# Altium PCB Hall Board.PcbDoc (part 1 of 4)
Units mil, origin at the board's own origin, x right, y up, seen from the top; angles counter-clockwise.
Board outline 5405 x 4190 mil, 4 copper layers (Top Layer, Internal Plane 1, Internal Plane 2, Bottom Layer), stack 18.2 mil thick; 428 components, 294 nets, 1249 pads, 155 vias.
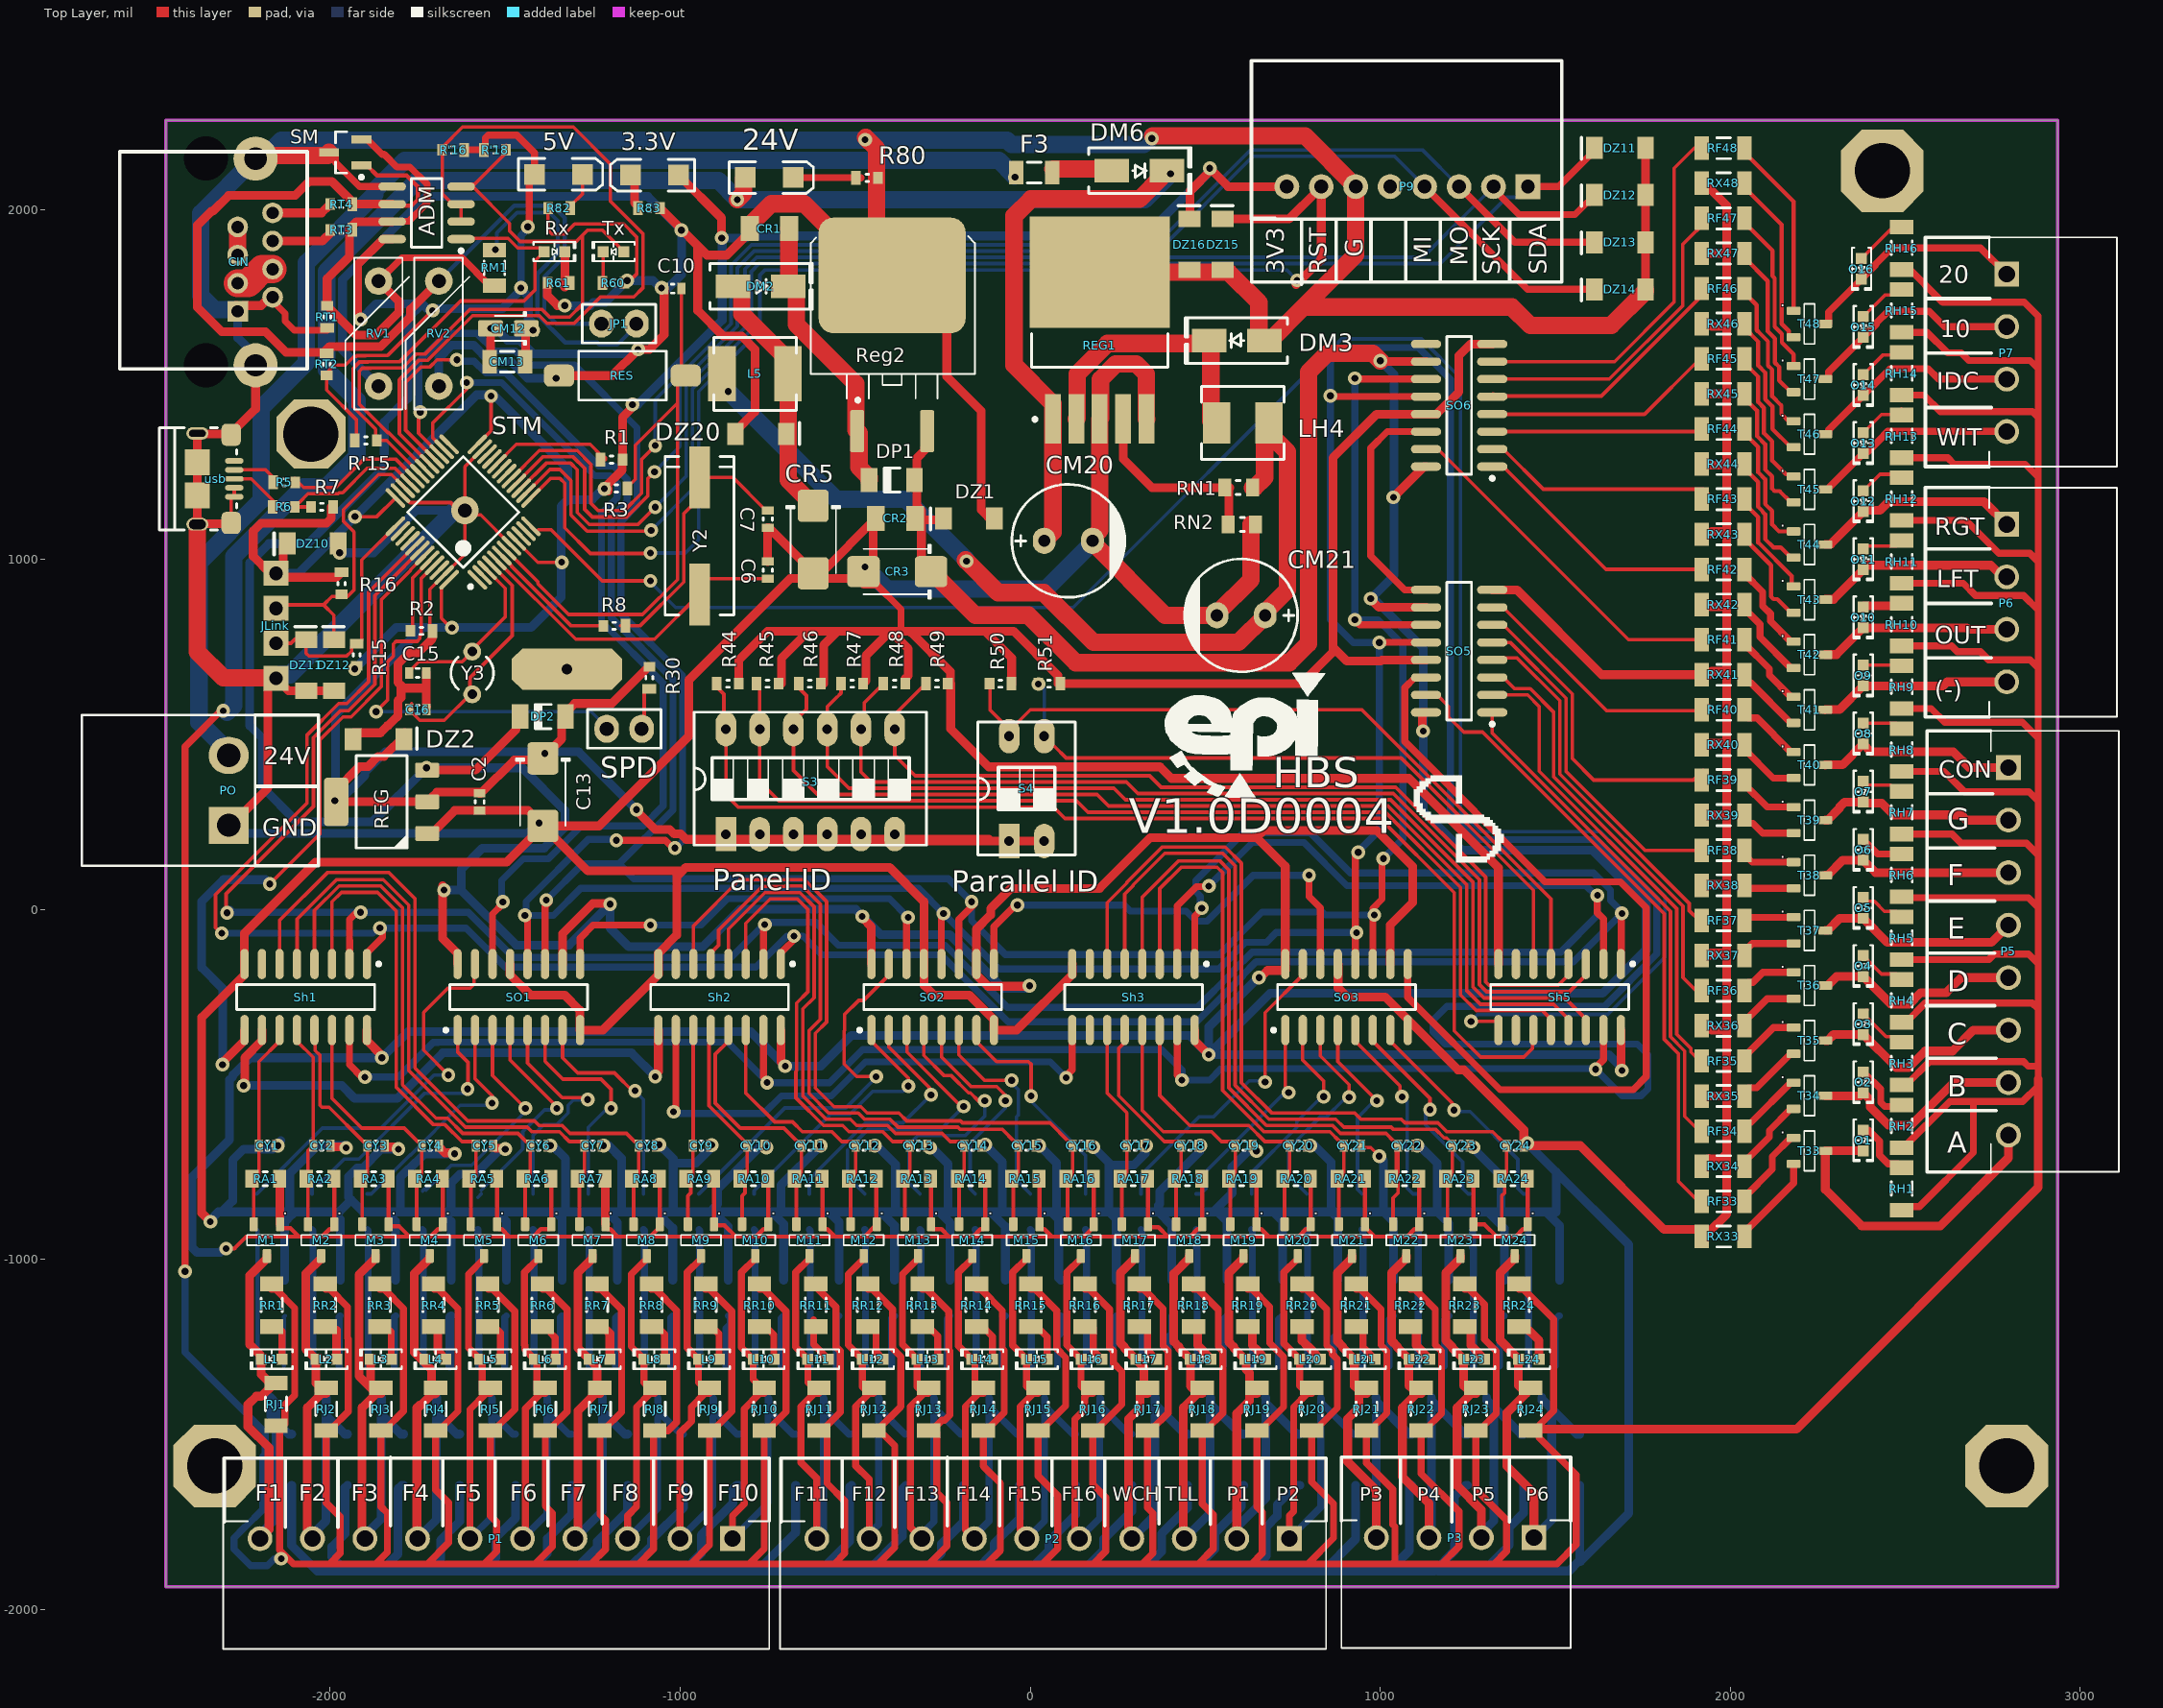
[diagram p0: Top Layer view]
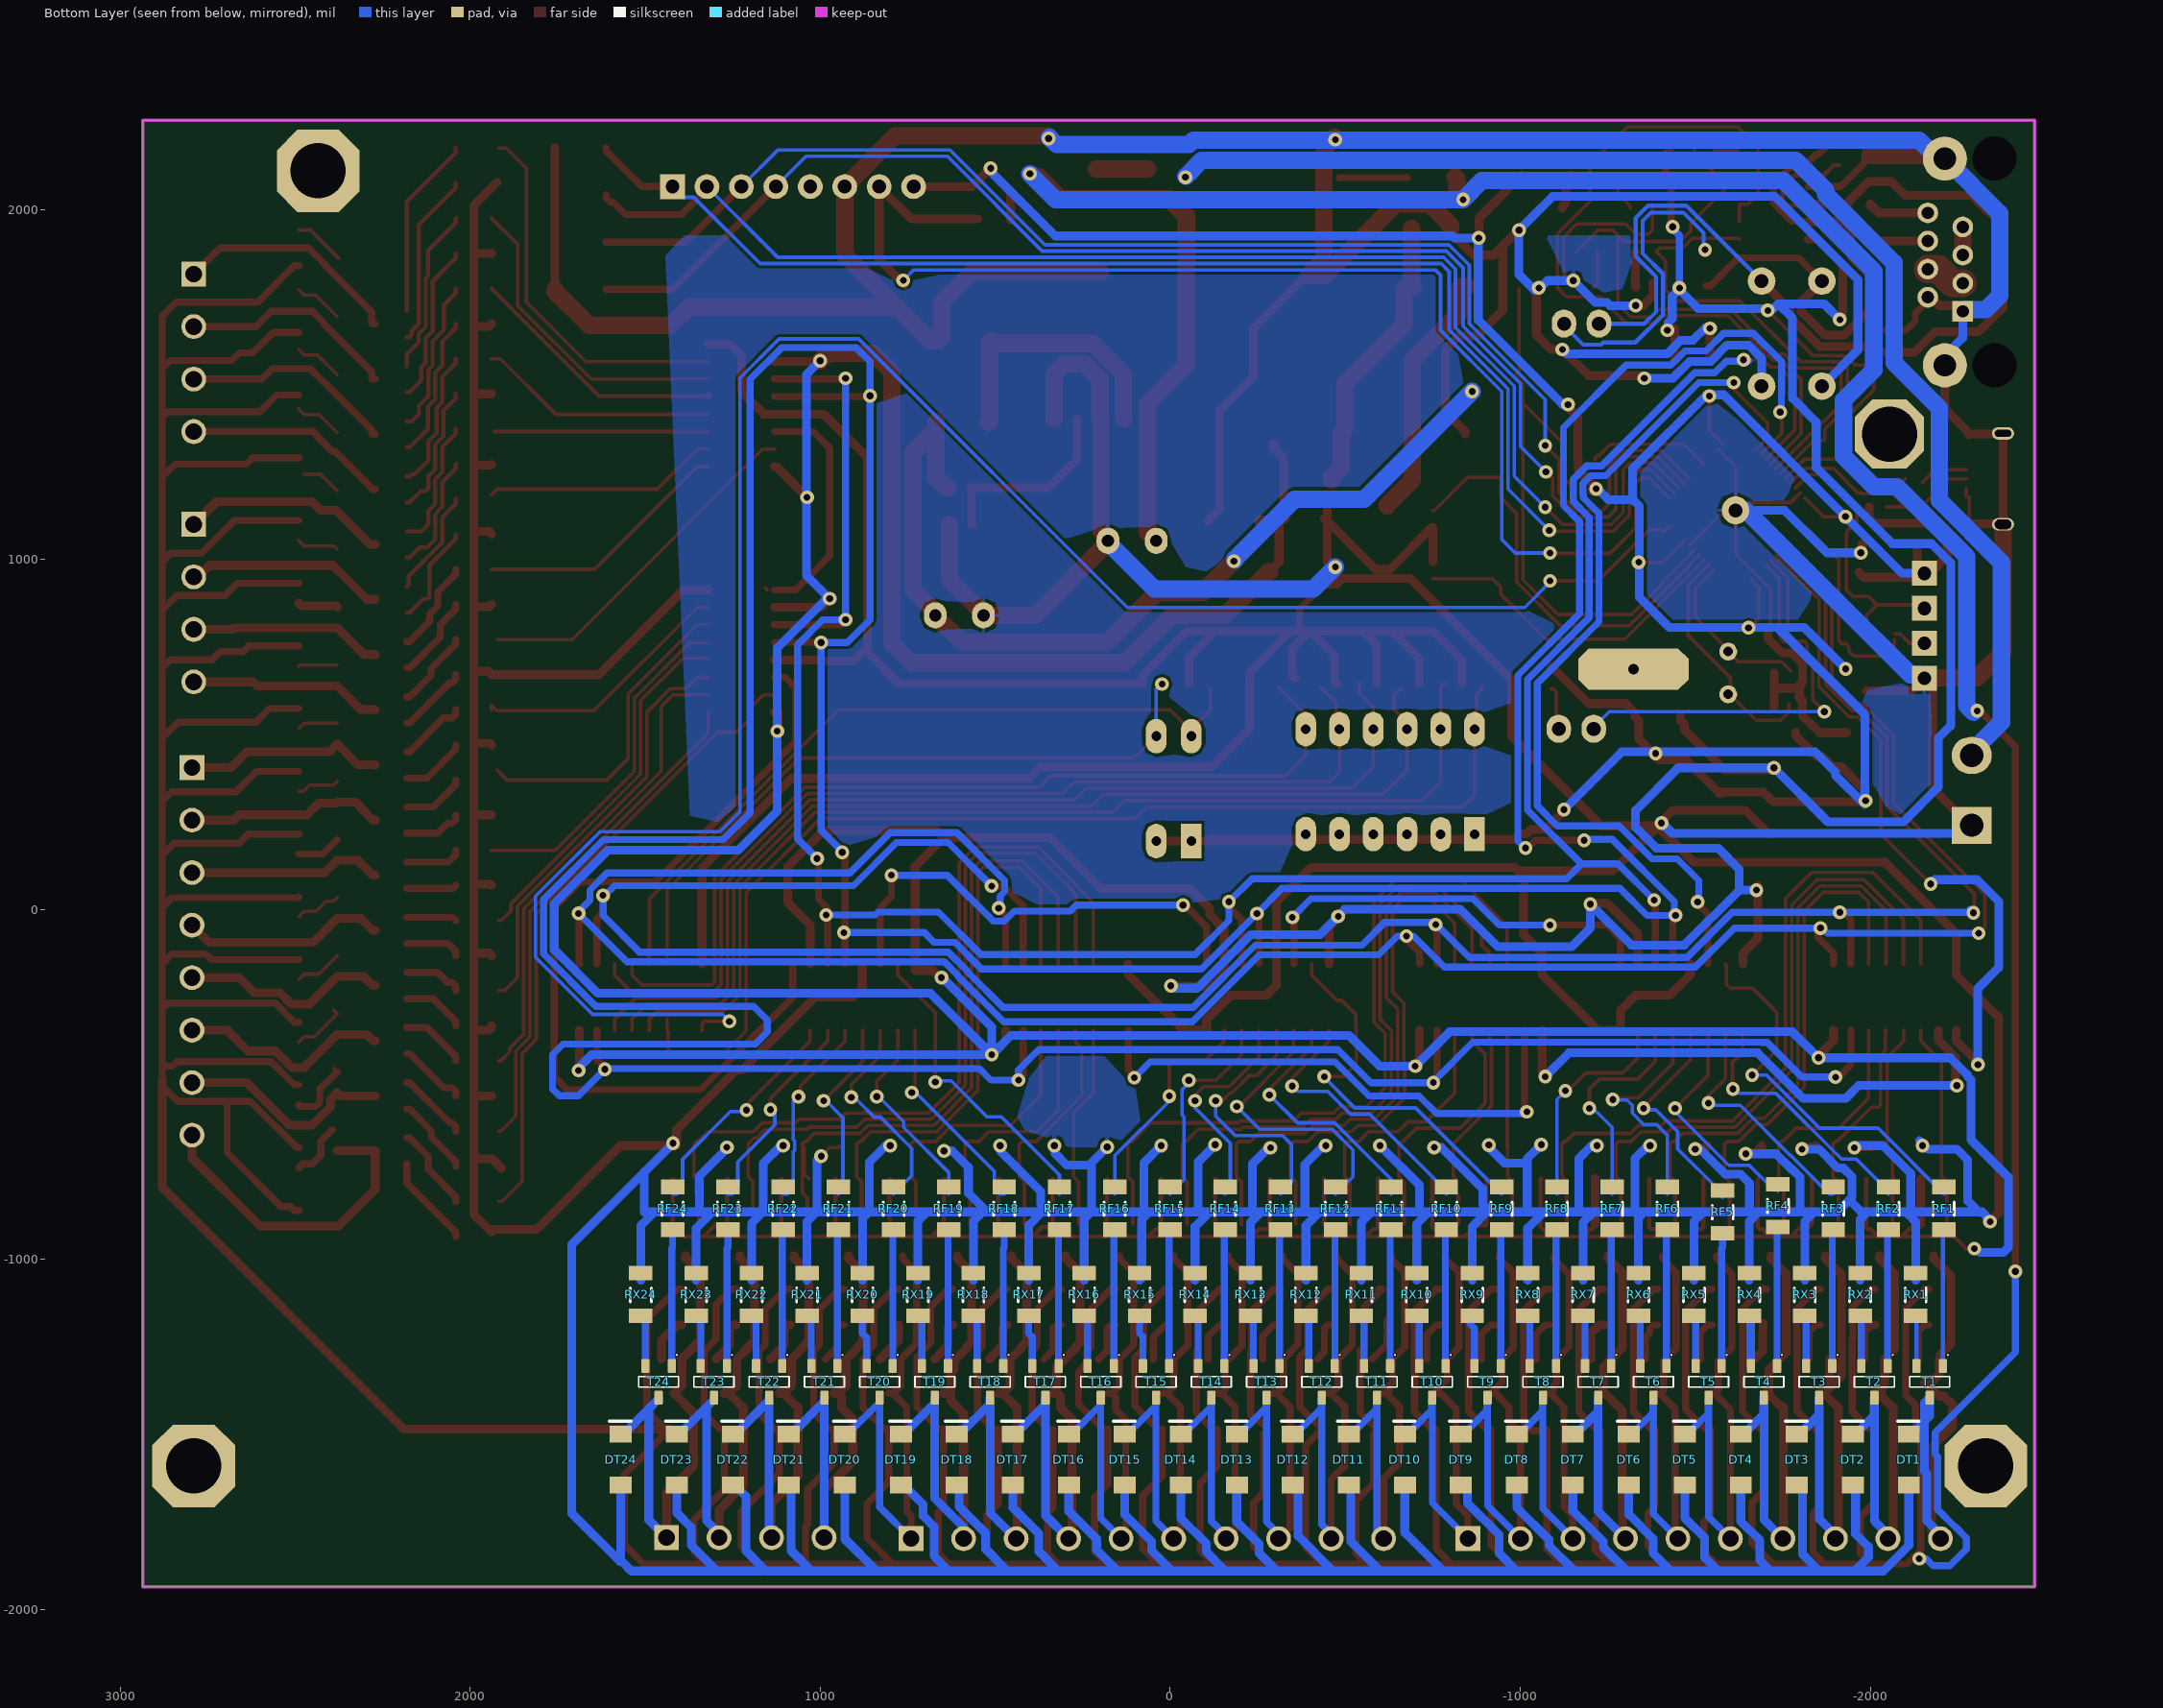
[diagram p1: Bottom Layer view, seen from below]
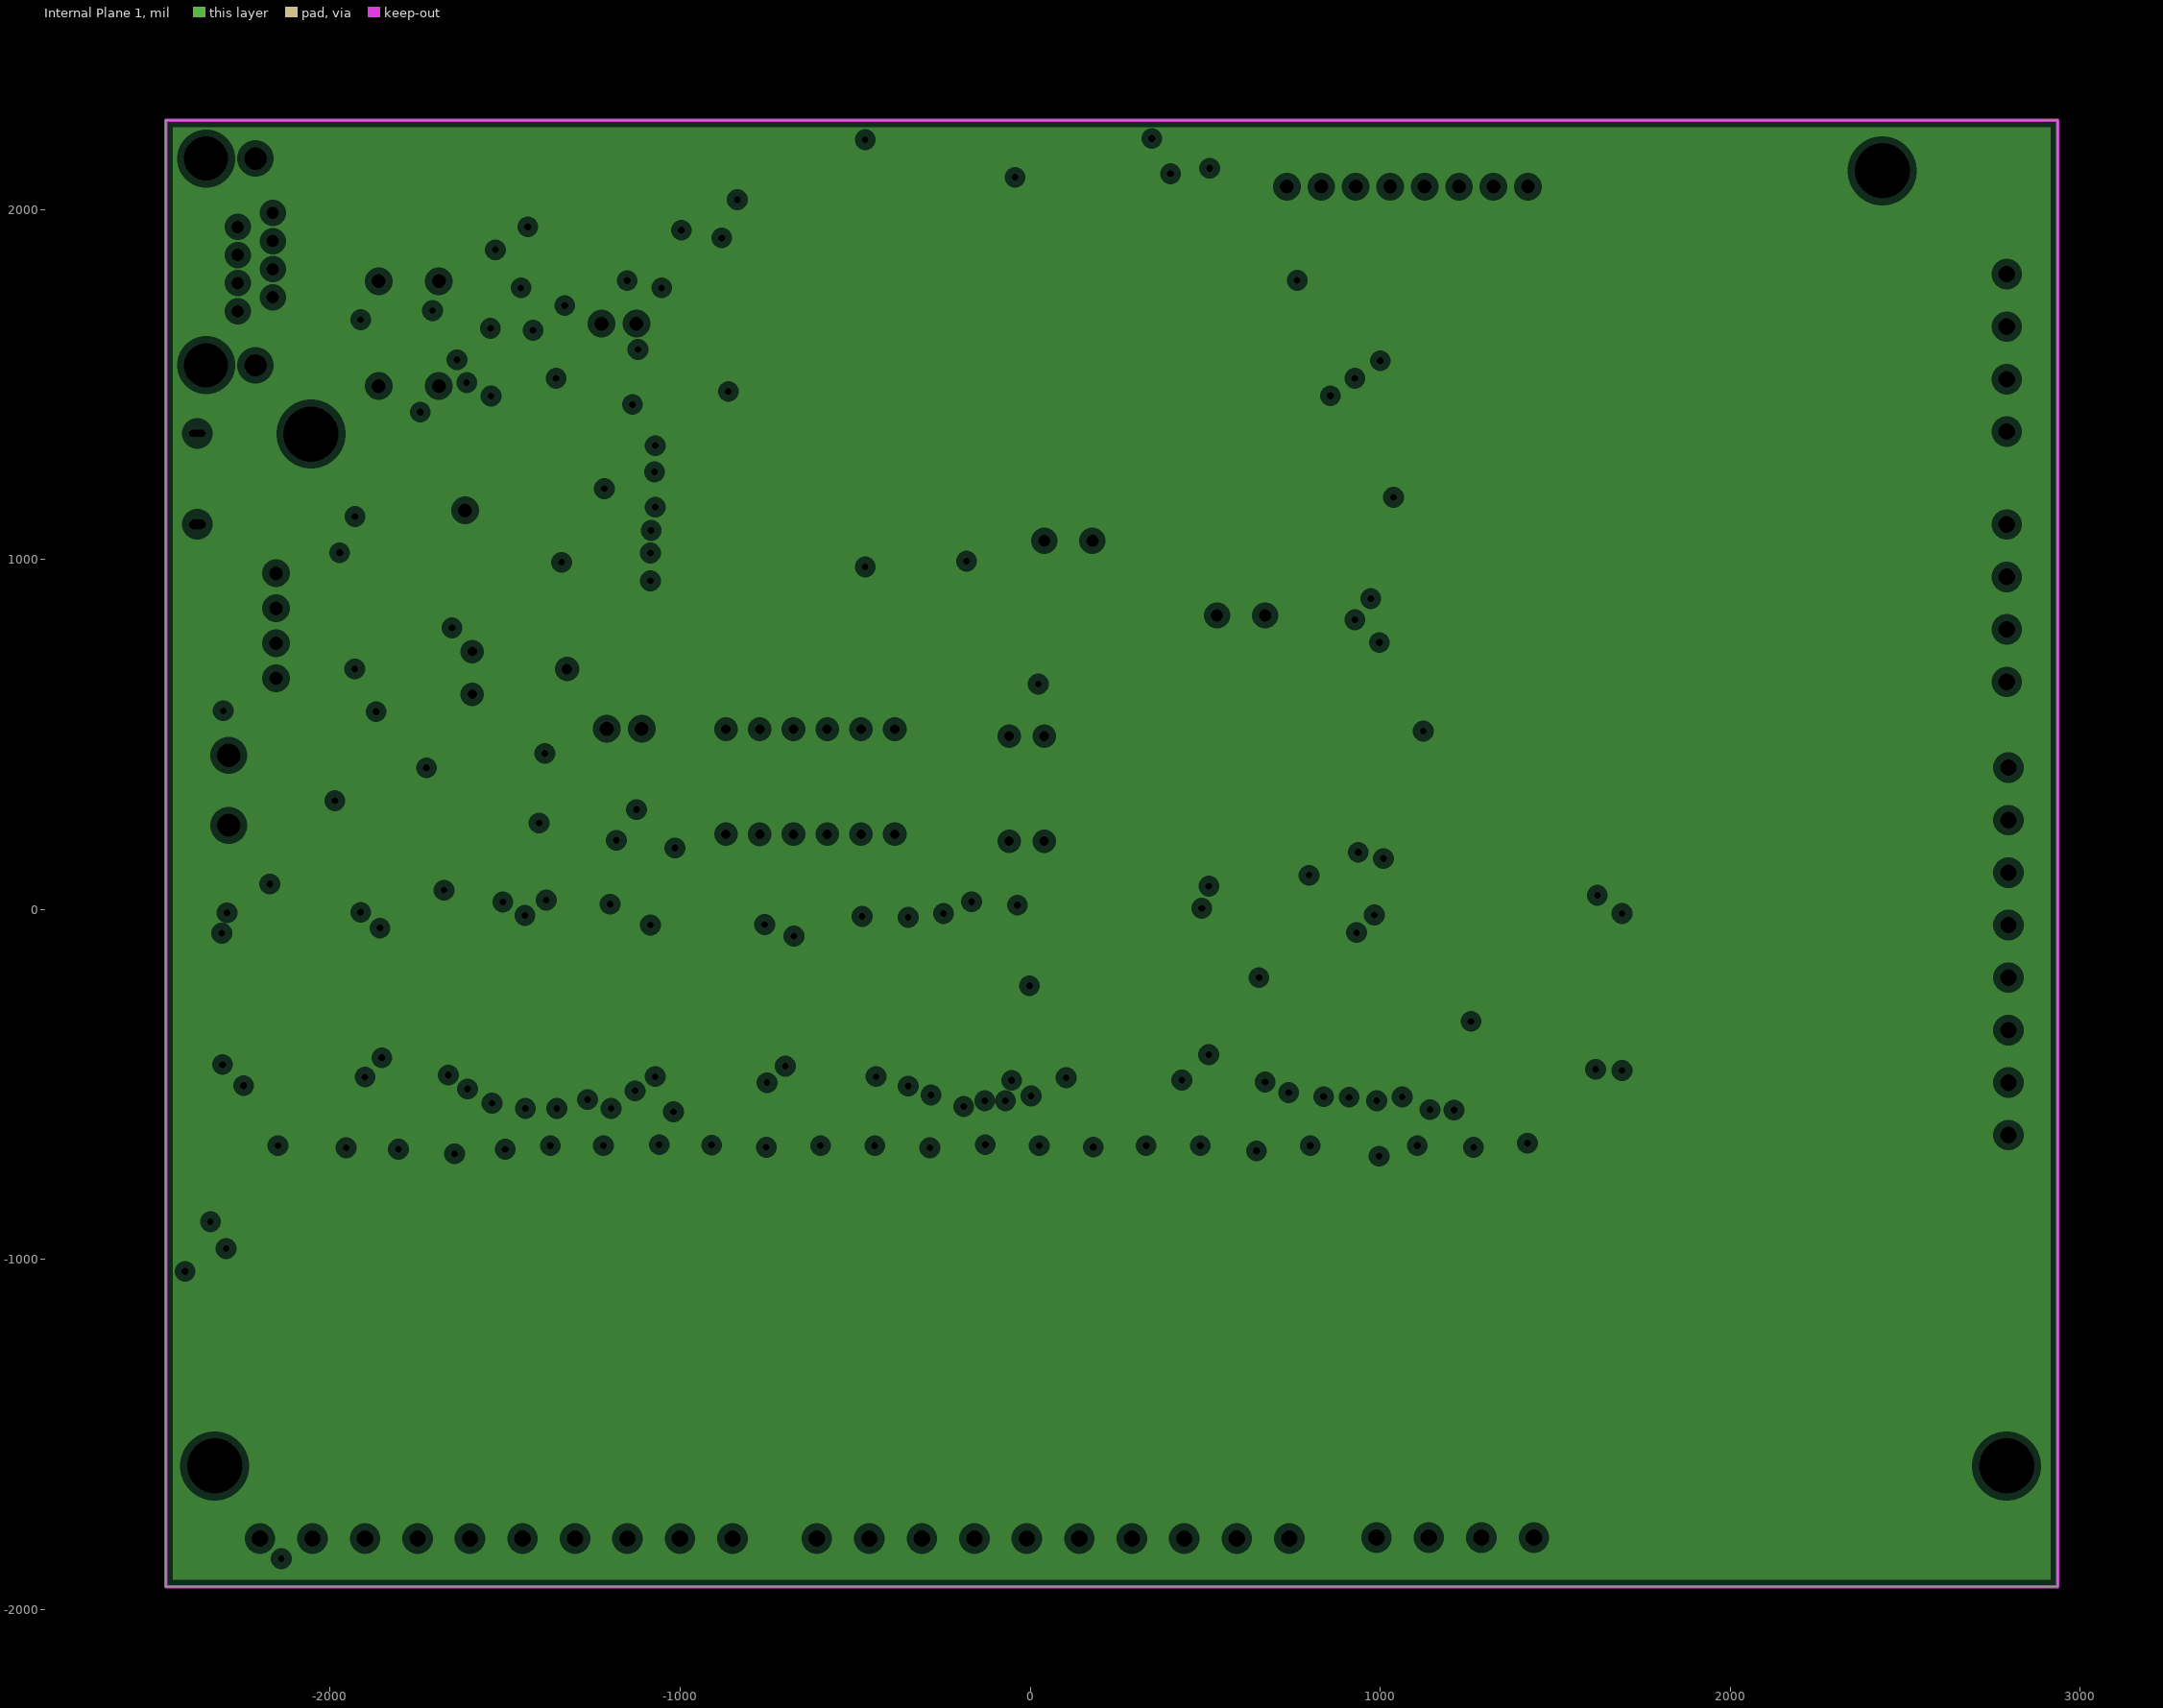
[diagram p2: Internal Plane 1, clearances drawn from the general rule]
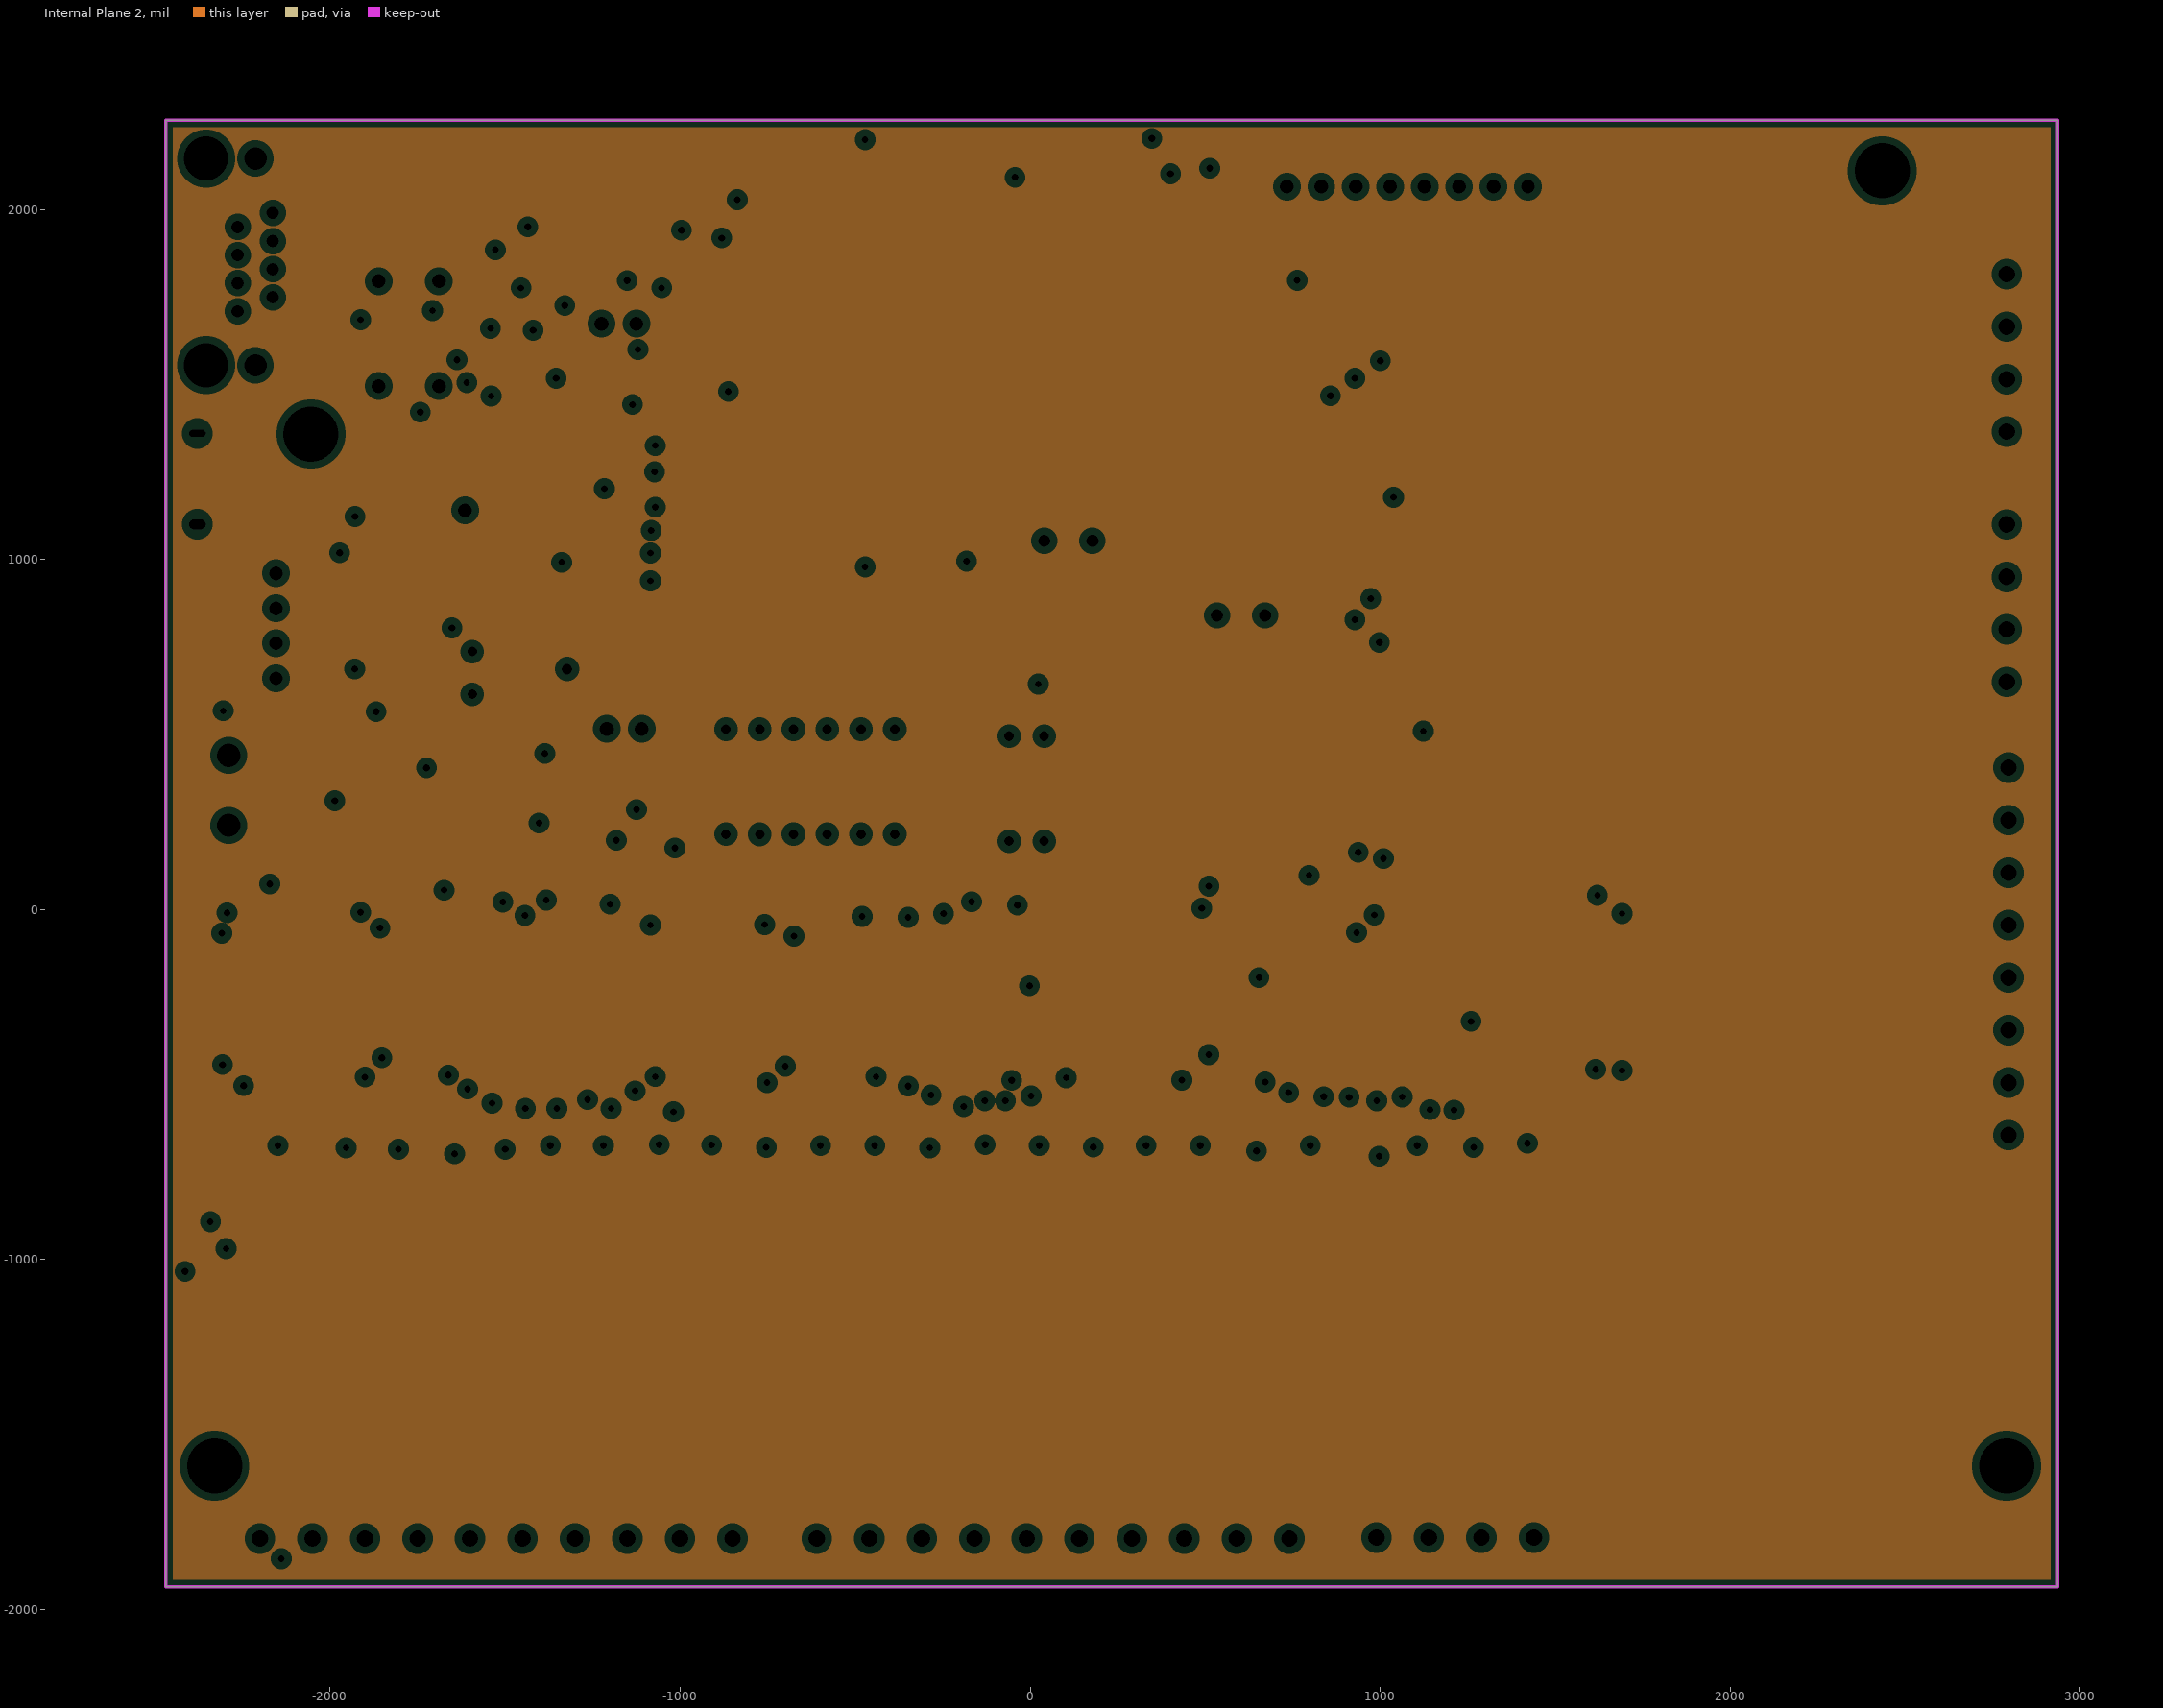
[diagram p3: Internal Plane 2, clearances drawn from the general rule]

## Layer stack, top to bottom
Top Solder: solder mask 0.4, Solder Resist, Dk 3.5
Top Layer: signal copper 1.4
Internal Plane 1: plane copper 1.4
Internal Plane 2: plane copper 1.4
Dielectric 1: dielectric 12.6, FR-4, Dk 4.8
Bottom Layer: signal copper 1.4
Bottom Solder: solder mask 0.4, Solder Resist, Dk 3.5

## Board outline
-2470,-1935 -2470,2255 2935,2255 2935,-1935

## Design rules (kind name [scope] priority, off if disabled: settings)
Clearance [All] p1: gap=7.87 ignorepadtopadclearanceinfootprint=TRUE except(0: Arc-Hole Track-Hole SMDPad-Hole THPad-Hole Via-Hole Fill-Hole Poly-Hole Region-Hole Text-Hole)
HoleSize [All] p1: absolutevalues=TRUE maxlimit=200 minlimit=1 maxpercent=80.000 minpercent=20.000
MinimumSolderMaskSliver [All] p1 off: minsoldermaskwidth=10
PlaneClearance [All] p1: clearance=20
PlaneConnect [All] p1: planeconnectstyle=Relief reliefexpansion=20 reliefentries=4 reliefconductorwidth=10 reliefairgap=10
PolygonConnect [All] p1: connectstyle=Relief reliefconductorwidth=10 reliefentries=4 polygonreliefangle="90 Angle" airgapwidth=10
RoomDefinition "Power 8V" [InComponentClass('Power 8V')] p1: confinementstyle=ConfineOut formatcopy=TRUE lockcomponents=FALSE outline 4565,-25 6825,-25 6825,785 4565,785
RoomDefinition "Shift Out" [InComponentClass('Shift Out')] p2: confinementstyle=ConfineOut formatcopy=TRUE lockcomponents=FALSE outline 4090,3280 2775,3280 2775,2635 4090,2635
RoomDefinition Actuator [InComponentClass('Actuator')] p3: confinementstyle=ConfineOut formatcopy=TRUE lockcomponents=FALSE outline 7550,-1355 6470,-1355 6470,-240 7550,-240
RoomDefinition Communication [InComponentClass('Communication')] p4: confinementstyle=ConfineOut formatcopy=TRUE lockcomponents=FALSE outline -2525,3275 -3240,3275 -3240,2565 -2525,2565
RoomDefinition "Power 5V" [InComponentClass('Power 5V')] p5: confinementstyle=ConfineOut formatcopy=TRUE lockcomponents=FALSE outline 2045,3575 950,3575 950,3225 2045,3225
RoomDefinition "Power 3.3V" [InComponentClass('Power 3.3V')] p6: confinementstyle=ConfineOut formatcopy=TRUE lockcomponents=FALSE outline -1733.72,3050 -1733.72,3975 -1035,3975 -1035,3050
RoomDefinition "Mosfet Input" [InComponentClass('Mosfet Input')] p7: confinementstyle=ConfineOut formatcopy=TRUE lockcomponents=FALSE outline -5290,-2150 -3795,-2150 -3795,-835 -5290,-835
RoomDefinition MCU [InComponentClass('MCU')] p8: confinementstyle=ConfineOut formatcopy=TRUE lockcomponents=FALSE outline -3700,5 -3700,1510 -2585,1510 -2585,5
RoomDefinition "Input Connector" [InComponentClass('Input Connector')] p9: confinementstyle=ConfineOut formatcopy=TRUE lockcomponents=FALSE outline -2940,-2680 -3705,-2680 -3705,-3045 -2940,-3045
RoomDefinition "Data Input Memory" [InComponentClass('Data Input Memory')] p10: confinementstyle=ConfineOut formatcopy=TRUE lockcomponents=FALSE outline 6030,410 5505,410 5505,1210 6030,1210
RoomDefinition Config [InComponentClass('Config')] p11: confinementstyle=ConfineOut formatcopy=TRUE lockcomponents=FALSE outline 6175,-1000 5645,-1000 5645,-375 6175,-375
RoutingVias [All] p1: holewidth=23.62 width=39.37 viastyle="Through Hole" minholewidth=19.68 minwidth=30 maxholewidth=43.31 maxwidth=82.68
SilkToBoardRegionClearance [All] p1 off:
SilkToSolderMaskClearance [IsPad] p1 off: minsilkscreentomaskgap=1 clearancetoexposedcopper=TRUE
SolderMaskExpansion [All] p1: expansion=4
UnRoutedNet [All] p1: checkbadconnections=TRUE
Width [All] p1: maxlimit=100 minlimit=10 preferedwidth=10 minimp=50.000000 maximp=50.000000 favimp=50.000000
23 further rules are at their usual default settings.
